# KiCad board motordecoder2-roomlight.kicad_pcb (continued)
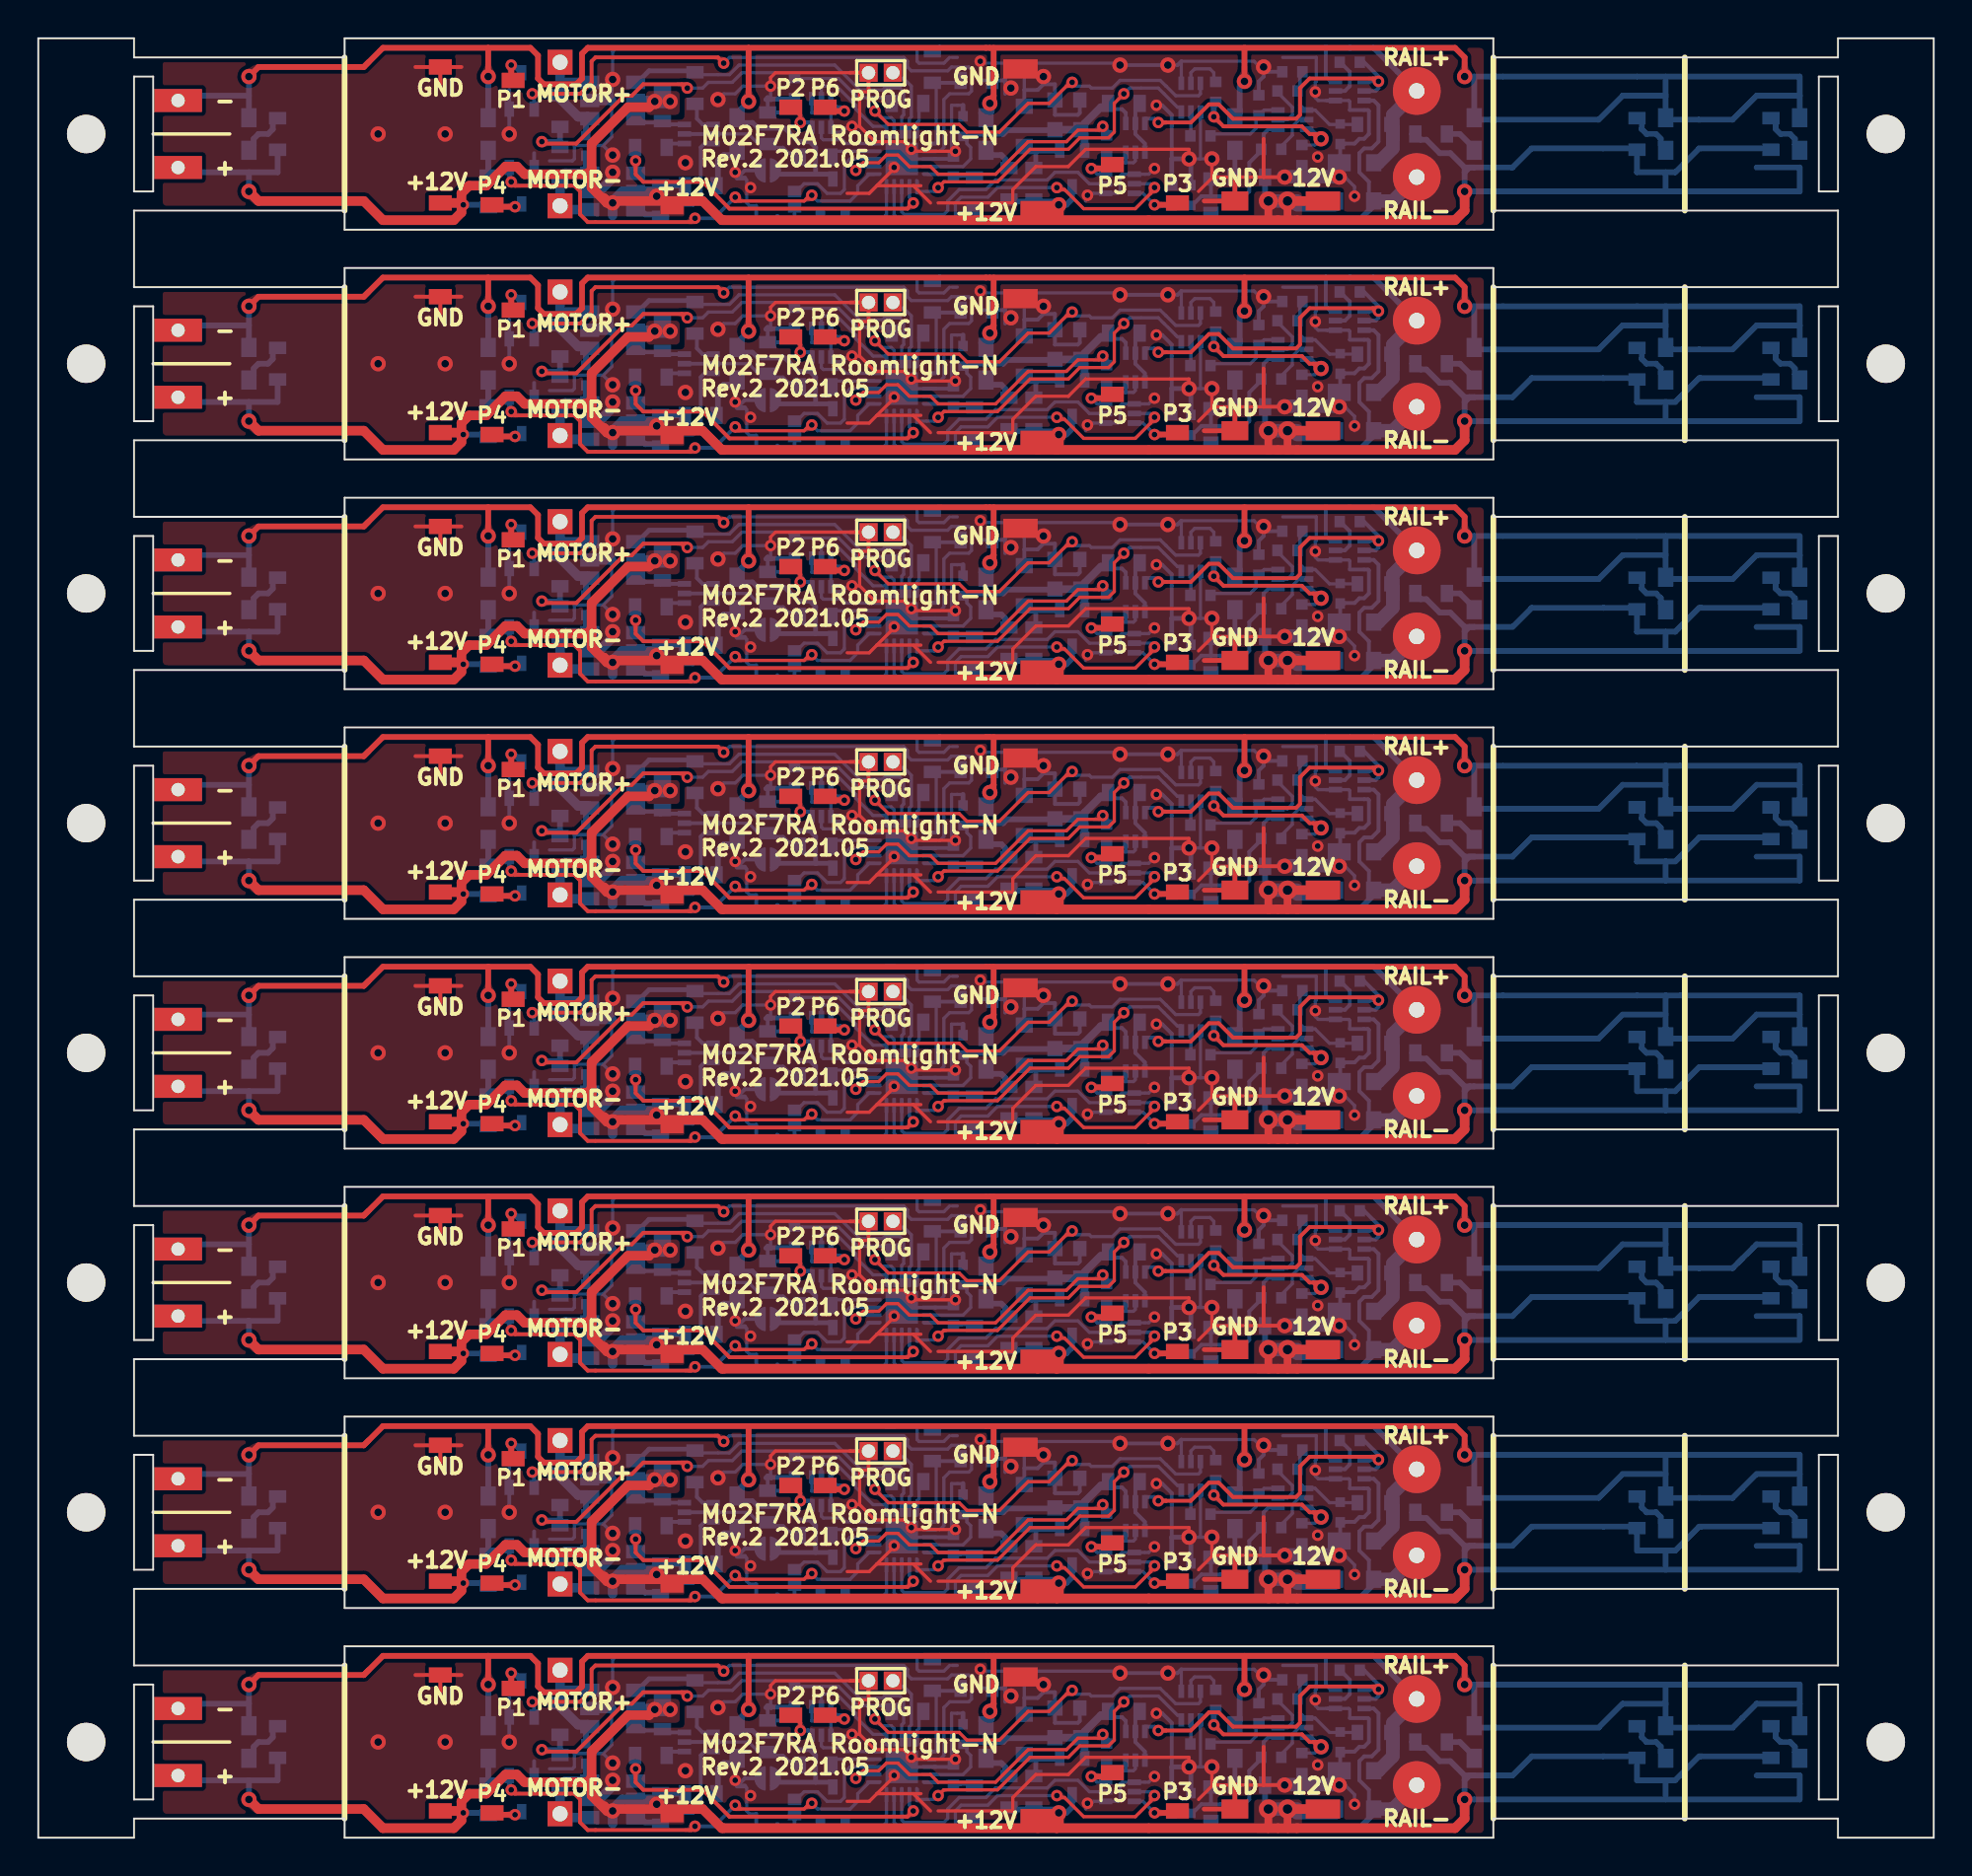
[diagram p0: board, top side]
## Routing (per net, layer and track width the routed paths; a pad name or vN(x,y) marks a point on that pad's centre or on a via; arc(x,y) is an arc through that point) (continued)
Func3: length 108.6
  Bottom w0.17: 45.1,74.35 45.1,72.93 45.23,72.8 47.3,72.8 47.5,73 47.5,73.5 48.1,74.1 49.5,74.1 50,74.6 52.7,74.6 53.1,75 54.3,75 54.9,74.4 Q13#2.5 ; 45.1,62.35 45.1,60.93 45.23,60.8 47.3,60.8 47.5,61 47.5,61.5 48.1,62.1 49.5,62.1 50,62.6 52.7,62.6 53.1,63 54.3,63 54.9,62.4 Q13#3.5 ; 45.1,50.35 45.1,48.93 45.23,48.8 47.3,48.8 47.5,49 47.5,49.5 48.1,50.1 49.5,50.1 50,50.6 52.7,50.6 53.1,51 54.3,51 54.9,50.4 Q13#4.5 ; 45.1,38.35 45.1,36.93 45.23,36.8 47.3,36.8 47.5,37 47.5,37.5 48.1,38.1 49.5,38.1 50,38.6 52.7,38.6 53.1,39 54.3,39 54.9,38.4 Q13#5.5 ; 45.1,26.35 45.1,24.93 45.23,24.8 47.3,24.8 47.5,25 47.5,25.5 48.1,26.1 49.5,26.1 50,26.6 52.7,26.6 53.1,27 54.3,27 54.9,26.4 Q13#6.5 ; 45.1,14.35 45.1,12.93 45.23,12.8 47.3,12.8 47.5,13 47.5,13.5 48.1,14.1 49.5,14.1 50,14.6 52.7,14.6 53.1,15 54.3,15 54.9,14.4 Q13#7.5 ; 45.1,2.35 45.1,0.93 45.23,0.8 47.3,0.8 47.5,1 47.5,1.5 48.1,2.1 49.5,2.1 50,2.6 52.7,2.6 53.1,3 54.3,3 54.9,2.4 Q13#8.5 ; 45.1,86.35 45.1,84.93 45.23,84.8 47.3,84.8 47.5,85 47.5,85.5 48.1,86.1 49.5,86.1 50,86.6 52.7,86.6 53.1,87 54.3,87 54.9,86.4 Q13.5
Func4: length 189.9
  Top w0.17: v3(40.4,73.8) 40.3,73.8 40,73.5 36.4,73.5 ; v3(40.4,61.8) 40.3,61.8 40,61.5 36.4,61.5 ; v3(40.4,49.8) 40.3,49.8 40,49.5 36.4,49.5 ; v3(40.4,37.8) 40.3,37.8 40,37.5 36.4,37.5 ; v3(40.4,25.8) 40.3,25.8 40,25.5 36.4,25.5 ; v3(40.4,13.8) 40.3,13.8 40,13.5 36.4,13.5 ; v3(40.4,1.8) 40.3,1.8 40,1.5 36.4,1.5 ; 36.6,73.5 v3(36.4,73.7) ; 36.6,61.5 v3(36.4,61.7) ; 36.6,49.5 v3(36.4,49.7) ; 36.6,37.5 v3(36.4,37.7) ; 36.6,25.5 v3(36.4,25.7) ; 36.6,13.5 v3(36.4,13.7) ; 36.6,1.5 v3(36.4,1.7) ; 40.1,73.6 40.3,73.6 ; 40.1,61.6 40.3,61.6 ; 40.1,49.6 40.3,49.6 ; 40.1,37.6 40.3,37.6 ; 40.1,25.6 40.3,25.6 ; 40.1,13.6 40.3,13.6 ; 40.1,1.6 40.3,1.6 ; 36.5,73.8 36.3,73.8 ; 36.5,61.8 36.3,61.8 ; 36.5,49.8 36.3,49.8 ; 36.5,37.8 36.3,37.8 ; 36.5,25.8 36.3,25.8 ; 36.5,13.8 36.3,13.8 ; 36.5,1.8 36.3,1.8 ; 36.5,73.7 36.7,73.5 ; 36.5,61.7 36.7,61.5 ; 36.5,49.7 36.7,49.5 ; 36.5,37.7 36.7,37.5 ; 36.5,25.7 36.7,25.5 ; 36.5,13.7 36.7,13.5 ; 36.5,1.7 36.7,1.5 ; 36.5,85.7 36.7,85.5 ; 36.5,85.8 36.3,85.8 ; 36.4,85.5 40,85.5 40.3,85.8 v3(40.4,85.8) ; 36.6,85.5 v3(36.4,85.7) ; 40.1,85.6 40.3,85.6
  Top w0.2: v3(34.3,72.6) 34.1,72.4 28.7,72.4 28.3,72.8 28.3,74 28,74.3 24.9,74.3 v3(24.7,74.5) ; v3(34.3,60.6) 34.1,60.4 28.7,60.4 28.3,60.8 28.3,62 28,62.3 24.9,62.3 v3(24.7,62.5) ; v3(34.3,48.6) 34.1,48.4 28.7,48.4 28.3,48.8 28.3,50 28,50.3 24.9,50.3 v3(24.7,50.5) ; v3(34.3,36.6) 34.1,36.4 28.7,36.4 28.3,36.8 28.3,38 28,38.3 24.9,38.3 v3(24.7,38.5) ; v3(34.3,24.6) 34.1,24.4 28.7,24.4 28.3,24.8 28.3,26 28,26.3 24.9,26.3 v3(24.7,26.5) ; v3(34.3,12.6) 34.1,12.4 28.7,12.4 28.3,12.8 28.3,14 28,14.3 24.9,14.3 v3(24.7,14.5) ; v3(34.3,0.6) 34.1,0.4 28.7,0.4 28.3,0.8 28.3,2 28,2.3 24.9,2.3 v3(24.7,2.5) ; v3(34.3,84.6) 34.1,84.4 28.7,84.4 28.3,84.8 28.3,86 28,86.3 24.9,86.3 v3(24.7,86.5)
  Bottom w0.17: 40.6,73.6 40.7,73.5 42.4,73.5 42.8,73.9 42.8,74.3 43.4,74.9 U2#2.11 ; 40.6,61.6 40.7,61.5 42.4,61.5 42.8,61.9 42.8,62.3 43.4,62.9 U2#3.11 ; 40.6,49.6 40.7,49.5 42.4,49.5 42.8,49.9 42.8,50.3 43.4,50.9 U2#4.11 ; 40.6,37.6 40.7,37.5 42.4,37.5 42.8,37.9 42.8,38.3 43.4,38.9 U2#5.11 ; 40.6,25.6 40.7,25.5 42.4,25.5 42.8,25.9 42.8,26.3 43.4,26.9 U2#6.11 ; 40.6,13.6 40.7,13.5 42.4,13.5 42.8,13.9 42.8,14.3 43.4,14.9 U2#7.11 ; 40.6,1.6 40.7,1.5 42.4,1.5 42.8,1.9 42.8,2.3 43.4,2.9 U2#8.11 ; 40.6,85.6 40.7,85.5 42.4,85.5 42.8,85.9 42.8,86.3 43.4,86.9 U2.11
  Bottom w0.2: v3(36.4,73.7) 35.3,72.6 v3(34.3,72.6) ; v3(36.4,61.7) 35.3,60.6 v3(34.3,60.6) ; v3(36.4,49.7) 35.3,48.6 v3(34.3,48.6) ; v3(36.4,37.7) 35.3,36.6 v3(34.3,36.6) ; v3(36.4,25.7) 35.3,24.6 v3(34.3,24.6) ; v3(36.4,13.7) 35.3,12.6 v3(34.3,12.6) ; v3(36.4,1.7) 35.3,0.6 v3(34.3,0.6) ; v3(36.4,85.7) 35.3,84.6 v3(34.3,84.6)
  Bottom w0.25: 24.8,74.4 24.6,74.6 Q12#2.1 ; 24.8,62.4 24.6,62.6 Q12#3.1 ; 24.8,50.4 24.6,50.6 Q12#4.1 ; 24.8,38.4 24.6,38.6 Q12#5.1 ; 24.8,26.4 24.6,26.6 Q12#6.1 ; 24.8,14.4 24.6,14.6 Q12#7.1 ; 24.8,2.4 24.6,2.6 Q12#8.1 ; 24.8,86.4 24.6,86.6 Q12.1
Func5: length 153.4
  Top w0.17: 53.3,74.3 53.5,74.1 ; 53.3,62.3 53.5,62.1 ; 53.3,50.3 53.5,50.1 ; 53.3,38.3 53.5,38.1 ; 53.3,26.3 53.5,26.1 ; 53.3,14.3 53.5,14.1 ; 53.3,2.3 53.5,2.1 ; 58.1,74.2 58.1,73.9 ; 58.1,62.2 58.1,61.9 ; 58.1,50.2 58.1,49.9 ; 58.1,38.2 58.1,37.9 ; 58.1,26.2 58.1,25.9 ; 58.1,14.2 58.1,13.9 ; 58.1,2.2 58.1,1.9 ; v3(58.3,74.21) 58.3,74.1 57.3,73.1 54.6,73.1 53.6,74.1 53.3,74.1 v3(53.2,74.2) ; v3(58.3,62.21) 58.3,62.1 57.3,61.1 54.6,61.1 53.6,62.1 53.3,62.1 v3(53.2,62.2) ; v3(58.3,50.21) 58.3,50.1 57.3,49.1 54.6,49.1 53.6,50.1 53.3,50.1 v3(53.2,50.2) ; v3(58.3,38.21) 58.3,38.1 57.3,37.1 54.6,37.1 53.6,38.1 53.3,38.1 v3(53.2,38.2) ; v3(58.3,26.21) 58.3,26.1 57.3,25.1 54.6,25.1 53.6,26.1 53.3,26.1 v3(53.2,26.2) ; v3(58.3,14.21) 58.3,14.1 57.3,13.1 54.6,13.1 53.6,14.1 53.3,14.1 v3(53.2,14.2) ; v3(58.3,2.21) 58.3,2.1 57.3,1.1 54.6,1.1 53.6,2.1 53.3,2.1 v3(53.2,2.2) ; 58.1,86.2 58.1,85.9 ; v3(58.3,86.21) 58.3,86.1 57.3,85.1 54.6,85.1 53.6,86.1 53.3,86.1 v3(53.2,86.2) ; 53.3,86.3 53.5,86.1
  Bottom w0.17: 44.7,74.35 44.7,72.8 45.1,72.4 47.6,72.4 47.9,72.7 47.9,73.4 48.2,73.7 49.6,73.7 50.1,74.2 v3(53.2,74.2) ; 44.7,62.35 44.7,60.8 45.1,60.4 47.6,60.4 47.9,60.7 47.9,61.4 48.2,61.7 49.6,61.7 50.1,62.2 v3(53.2,62.2) ; 44.7,50.35 44.7,48.8 45.1,48.4 47.6,48.4 47.9,48.7 47.9,49.4 48.2,49.7 49.6,49.7 50.1,50.2 v3(53.2,50.2) ; 44.7,38.35 44.7,36.8 45.1,36.4 47.6,36.4 47.9,36.7 47.9,37.4 48.2,37.7 49.6,37.7 50.1,38.2 v3(53.2,38.2) ; 44.7,26.35 44.7,24.8 45.1,24.4 47.6,24.4 47.9,24.7 47.9,25.4 48.2,25.7 49.6,25.7 50.1,26.2 v3(53.2,26.2) ; 44.7,14.35 44.7,12.8 45.1,12.4 47.6,12.4 47.9,12.7 47.9,13.4 48.2,13.7 49.6,13.7 50.1,14.2 v3(53.2,14.2) ; 44.7,2.35 44.7,0.8 45.1,0.4 47.6,0.4 47.9,0.7 47.9,1.4 48.2,1.7 49.6,1.7 50.1,2.2 v3(53.2,2.2) ; v3(58.3,74.21) 58.3,74.2 58.1,74.4 Q13#2.2 ; v3(58.3,62.21) 58.3,62.2 58.1,62.4 Q13#3.2 ; v3(58.3,50.21) 58.3,50.2 58.1,50.4 Q13#4.2 ; v3(58.3,38.21) 58.3,38.2 58.1,38.4 Q13#5.2 ; v3(58.3,26.21) 58.3,26.2 58.1,26.4 Q13#6.2 ; v3(58.3,14.21) 58.3,14.2 58.1,14.4 Q13#7.2 ; v3(58.3,2.21) 58.3,2.2 58.1,2.4 Q13#8.2 ; 44.7,86.35 44.7,84.8 45.1,84.4 47.6,84.4 47.9,84.7 47.9,85.4 48.2,85.7 49.6,85.7 50.1,86.2 v3(53.2,86.2) ; v3(58.3,86.21) 58.3,86.2 58.1,86.4 Q13.2
Func6: length 27.4
  Bottom w0.17: U2#2.15 42.2,76.5 42,76.7 41,76.7 40.9,76.8 Q14#2.2 ; U2#3.15 42.2,64.5 42,64.7 41,64.7 40.9,64.8 Q14#3.2 ; U2#4.15 42.2,52.5 42,52.7 41,52.7 40.9,52.8 Q14#4.2 ; U2#5.15 42.2,40.5 42,40.7 41,40.7 40.9,40.8 Q14#5.2 ; U2#6.15 42.2,28.5 42,28.7 41,28.7 40.9,28.8 Q14#6.2 ; U2#7.15 42.2,16.5 42,16.7 41,16.7 40.9,16.8 Q14#7.2 ; U2#8.15 42.2,4.5 42,4.7 41,4.7 40.9,4.8 Q14#8.2 ; U2.15 42.2,88.5 42,88.7 41,88.7 40.9,88.8 Q14.2
Func7: length 29.4
  Bottom w0.17: U2#2.10 44.3,72.8 44,72.5 42.2,72.5 ; U2#3.10 44.3,60.8 44,60.5 42.2,60.5 ; U2#4.10 44.3,48.8 44,48.5 42.2,48.5 ; U2#5.10 44.3,36.8 44,36.5 42.2,36.5 ; U2#6.10 44.3,24.8 44,24.5 42.2,24.5 ; U2#7.10 44.3,12.8 44,12.5 42.2,12.5 ; U2#8.10 44.3,0.8 44,0.5 42.2,0.5 ; 42.2,84.5 44,84.5 44.3,84.8 U2.10
FWD: length 149.2
  Top w0.2: 45.5,73.2 v3(45.7,73.4) 45.4,73.1 36.1,73.1 34.7,74.5 31.6,74.5 31.2,74.9 v3(31.2,75.6) ; 45.5,61.2 v3(45.7,61.4) 45.4,61.1 36.1,61.1 34.7,62.5 31.6,62.5 31.2,62.9 v3(31.2,63.6) ; 45.5,49.2 v3(45.7,49.4) 45.4,49.1 36.1,49.1 34.7,50.5 31.6,50.5 31.2,50.9 v3(31.2,51.6) ; 45.5,37.2 v3(45.7,37.4) 45.4,37.1 36.1,37.1 34.7,38.5 31.6,38.5 31.2,38.9 v3(31.2,39.6) ; 45.5,25.2 v3(45.7,25.4) 45.4,25.1 36.1,25.1 34.7,26.5 31.6,26.5 31.2,26.9 v3(31.2,27.6) ; 45.5,13.2 v3(45.7,13.4) 45.4,13.1 36.1,13.1 34.7,14.5 31.6,14.5 31.2,14.9 v3(31.2,15.6) ; 45.5,1.2 v3(45.7,1.4) 45.4,1.1 36.1,1.1 34.7,2.5 31.6,2.5 31.2,2.9 v3(31.2,3.6) ; 45.5,85.2 v3(45.7,85.4) 45.4,85.1 36.1,85.1 34.7,86.5 31.6,86.5 31.2,86.9 v3(31.2,87.6)
  Bottom w0.17: 45.5,74.35 45.5,73.7 45.7,73.5 ; 45.5,62.35 45.5,61.7 45.7,61.5 ; 45.5,50.35 45.5,49.7 45.7,49.5 ; 45.5,38.35 45.5,37.7 45.7,37.5 ; 45.5,26.35 45.5,25.7 45.7,25.5 ; 45.5,14.35 45.5,13.7 45.7,13.5 ; 45.5,2.35 45.5,1.7 45.7,1.5 ; 45.5,86.35 45.5,85.7 45.7,85.5
  Bottom w0.25: Q2#2.1 31.17,74.97 R6#2.2 ; Q2#3.1 31.17,62.97 R6#3.2 ; Q2#4.1 31.17,50.97 R6#4.2 ; Q2#5.1 31.17,38.97 R6#5.2 ; Q2#6.1 31.17,26.97 R6#6.2 ; Q2#7.1 31.17,14.97 R6#7.2 ; Q2#8.1 31.17,2.97 R6#8.2 ; Q2.1 31.17,86.97 R6.2
MOTOR+: length 55
  Bottom w0.3: Q1#2.4 28.6,77.6 28.6,76.92 ; Q1#3.4 28.6,65.6 28.6,64.92 ; Q1#4.4 28.6,53.6 28.6,52.92 ; Q1#5.4 28.6,41.6 28.6,40.92 ; Q1#6.4 28.6,29.6 28.6,28.92 ; Q1#7.4 28.6,17.6 28.6,16.92 ; Q1#8.4 28.6,5.6 28.6,4.92 ; 26.92,80.58 27.25,80.25 ; 26.92,68.58 27.25,68.25 ; 26.92,56.58 27.25,56.25 ; 26.92,44.58 27.25,44.25 ; 26.92,32.58 27.25,32.25 ; 26.92,20.58 27.25,20.25 ; 26.92,8.58 27.25,8.25 ; 28.6,88.92 28.6,89.6 Q1.4 ; 26.92,92.58 27.25,92.25
  Bottom w0.5: 27.25,79.65 P5#2.1 ; 27.25,79.65 27.3,79.7 Q1#2.6 ; 27.25,79.65 27.25,78.85 28.2,77.9 28.7,77.9 Q1#2.4 ; 27.25,67.65 P5#3.1 ; 27.25,67.65 27.3,67.7 Q1#3.6 ; 27.25,67.65 27.25,66.85 28.2,65.9 28.7,65.9 Q1#3.4 ; 27.25,55.65 P5#4.1 ; 27.25,55.65 27.3,55.7 Q1#4.6 ; 27.25,55.65 R9#4.2 27.25,54.85 28.2,53.9 28.7,53.9 Q1#4.4 ; 27.25,43.65 P5#5.1 ; 27.25,43.65 27.3,43.7 Q1#5.6 ; 27.25,43.65 R9#5.2 27.25,42.85 28.2,41.9 28.7,41.9 Q1#5.4 ; 27.25,31.65 P5#6.1 ; 27.25,31.65 27.3,31.7 Q1#6.6 ; 27.25,31.65 R9#6.2 27.25,30.85 28.2,29.9 28.7,29.9 Q1#6.4 ; 27.25,19.65 P5#7.1 ; 27.25,19.65 27.3,19.7 Q1#7.6 ; 27.25,19.65 R9#7.2 27.25,18.85 28.2,17.9 28.7,17.9 Q1#7.4 ; 27.25,7.65 P5#8.1 ; 27.25,7.65 27.3,7.7 Q1#8.6 ; 27.25,7.65 R9#8.2 27.25,6.85 28.2,5.9 28.7,5.9 Q1#8.4 ; Q1.6 27.3,91.7 27.25,91.65 ; Q1.4 28.7,89.9 28.2,89.9 27.25,90.85 27.25,91.65 ; 27.25,91.65 P5.1
MOTOR-: length 49.5
  Bottom w0.3: Q2#2.6 28.6,75.15 28.6,75.88 ; Q2#3.6 28.6,63.15 28.6,63.88 ; Q2#4.6 28.6,51.15 28.6,51.88 ; Q2#5.6 28.6,39.15 28.6,39.88 ; Q2#6.6 28.6,27.15 28.6,27.88 ; Q2#7.6 28.6,15.15 28.6,15.88 ; Q2#8.6 28.6,3.15 28.6,3.88 ; 26.92,73.42 27.25,73.75 ; 26.92,61.42 27.25,61.75 ; 26.92,49.42 27.25,49.75 ; 26.92,37.42 27.25,37.75 ; 26.92,25.42 27.25,25.75 ; 26.92,13.42 27.25,13.75 ; 26.92,1.42 27.25,1.75 ; 28.6,87.88 28.6,87.15 Q2.6 ; 26.92,85.42 27.25,85.75
  Bottom w0.5: Q2#2.4 27.45,73.05 P6#2.1 R10#2.2 27.53,74.95 Q2#2.6 ; Q2#3.4 27.45,61.05 P6#3.1 R10#3.2 27.53,62.95 Q2#3.6 ; Q2#4.4 27.45,49.05 P6#4.1 R10#4.2 27.53,50.95 Q2#4.6 ; Q2#5.4 27.45,37.05 P6#5.1 R10#5.2 27.53,38.95 Q2#5.6 ; Q2#6.4 27.45,25.05 P6#6.1 R10#6.2 27.53,26.95 Q2#6.6 ; Q2#7.4 27.45,13.05 P6#7.1 R10#7.2 27.53,14.95 Q2#7.6 ; Q2#8.4 27.45,1.05 P6#8.1 R10#8.2 27.53,2.95 Q2#8.6 ; Q2.4 27.45,85.05 P6.1 R10.2 27.53,86.95 Q2.6
PWM: length 18.5
  Bottom w0.17: U2#2.14 41.62,76.1 41.43,75.9 ; U2#3.14 41.62,64.1 41.43,63.9 ; U2#4.14 41.62,52.1 41.43,51.9 ; U2#5.14 41.62,40.1 41.43,39.9 ; U2#6.14 41.62,28.1 41.43,27.9 ; U2#7.14 41.62,16.1 41.43,15.9 ; U2#8.14 41.62,4.1 41.43,3.9 ; U2.14 41.62,88.1 41.43,87.9
RAIL+: length 304.1
  Bottom w0.17: 71.25,78.5 P1#2.1 ; 71.25,66.5 P1#3.1 ; 71.25,54.5 P1#4.1 ; 71.25,42.5 P1#5.1 ; 71.25,30.5 P1#6.1 ; 71.25,18.5 P1#7.1 ; 71.25,6.5 P1#8.1 ; 71.25,90.5 P1.1
  Bottom w0.2: Q8#2.3 67.5,79.75 67.25,80 67.25,81.5 ; Q8#3.3 67.5,67.75 67.25,68 67.25,69.5 ; Q8#4.3 67.5,55.75 67.25,56 67.25,57.5 ; Q8#5.3 67.5,43.75 67.25,44 67.25,45.5 ; Q8#6.3 67.5,31.75 67.25,32 67.25,33.5 ; Q8#7.3 67.5,19.75 67.25,20 67.25,21.5 ; Q8#8.3 67.5,7.75 67.25,8 67.25,9.5 ; Q8.3 67.5,91.75 67.25,92 67.25,93.5
  Bottom w0.3: P1#2.1 69.75,81.5 47.07,81.5 46.8,81.22 ; P1#3.1 69.75,69.5 47.07,69.5 46.8,69.22 ; P1#4.1 69.75,57.5 47.07,57.5 46.8,57.22 ; P1#5.1 69.75,45.5 47.07,45.5 46.8,45.22 ; P1#6.1 69.75,33.5 47.07,33.5 46.8,33.22 ; P1#7.1 69.75,21.5 47.07,21.5 46.8,21.22 ; P1#8.1 69.75,9.5 47.07,9.5 46.8,9.22 ; P1.1 69.75,93.5 47.07,93.5 46.8,93.22
  Bottom w0.5: 71.25,80 P1#2.1 ; 71.25,68 P1#3.1 ; 71.25,56 P1#4.1 ; 71.25,44 P1#5.1 ; 71.25,32 P1#6.1 ; 71.25,20 P1#7.1 ; 71.25,8 P1#8.1 ; 71.25,92 P1.1
  Bottom w0.7: 71.5,79.75 P1#2.1 ; P1#2.1 72,79 ; P1#2.1 70.75,78 70.75,76.75 ; 71.5,67.75 P1#3.1 ; P1#3.1 72,67 ; P1#3.1 70.75,66 70.75,64.75 ; 71.5,55.75 P1#4.1 ; P1#4.1 72,55 ; P1#4.1 70.75,54 70.75,52.75 ; 71.5,43.75 P1#5.1 ; P1#5.1 72,43 ; P1#5.1 70.75,42 70.75,40.75 ; 71.5,31.75 P1#6.1 ; P1#6.1 72,31 ; P1#6.1 70.75,30 70.75,28.75 ; 71.5,19.75 P1#7.1 ; P1#7.1 72,19 ; P1#7.1 70.75,18 70.75,16.75 ; 71.5,7.75 P1#8.1 ; P1#8.1 72,7 ; P1#8.1 70.75,6 70.75,4.75 ; 70.75,76.75 70.75,77.35 ; 70.75,76.75 70.75,77.65 ; 70.75,76.75 70.75,76.5 ; 70.75,76.75 70.75,76.25 70,75.5 D1#2.2 ; 70.75,64.75 70.75,65.35 ; 70.75,64.75 70.75,65.65 ; 70.75,64.75 70.75,64.5 ; 70.75,64.75 70.75,64.25 70,63.5 D1#3.2 ; 70.75,52.75 70.75,53.35 ; 70.75,52.75 70.75,53.65 ; 70.75,52.75 70.75,52.5 ; 70.75,52.75 70.75,52.25 70,51.5 D1#4.2 ; 70.75,40.75 70.75,41.35 ; 70.75,40.75 70.75,41.65 ; 70.75,40.75 70.75,40.5 ; 70.75,40.75 70.75,40.25 70,39.5 D1#5.2 ; 70.75,28.75 70.75,29.35 ; 70.75,28.75 70.75,29.65 ; 70.75,28.75 70.75,28.5 ; 70.75,28.75 70.75,28.25 70,27.5 D1#6.2 ; 70.75,16.75 70.75,17.35 ; 70.75,16.75 70.75,17.65 ; 70.75,16.75 70.75,16.5 ; 70.75,16.75 70.75,16.25 70,15.5 D1#7.2 ; 70.75,4.75 70.75,5.35 ; 70.75,4.75 70.75,5.65 ; 70.75,4.75 70.75,4.5 ; 70.75,4.75 70.75,4.25 70,3.5 D1#8.2 ; P1.1 70.75,90 70.75,88.75 ; P1.1 72,91 ; P1.1 71.5,91.75 ; 70.75,88.75 70.75,88.5 ; 70.75,88.75 70.75,89.65 ; 70.75,88.75 70.75,88.25 70,87.5 D1.2 ; 70.75,88.75 70.75,89.35
RAIL-: length 266.4
  Bottom w0.2: D1#2.3 69.5,73.75 69.5,74.5 69,75 69,76 69.25,76.25 69.65,76.25 70,76.6 70,78.5 69.75,78.75 Q8#2.6 ; D1#3.3 69.5,61.75 69.5,62.5 69,63 69,64 69.25,64.25 69.65,64.25 70,64.6 70,66.5 69.75,66.75 Q8#3.6 ; D1#4.3 69.5,49.75 69.5,50.5 69,51 69,52 69.25,52.25 69.65,52.25 70,52.6 70,54.5 69.75,54.75 Q8#4.6 ; D1#5.3 69.5,37.75 69.5,38.5 69,39 69,40 69.25,40.25 69.65,40.25 70,40.6 70,42.5 69.75,42.75 Q8#5.6 ; D1#6.3 69.5,25.75 69.5,26.5 69,27 69,28 69.25,28.25 69.65,28.25 70,28.6 70,30.5 69.75,30.75 Q8#6.6 ; D1#7.3 69.5,13.75 69.5,14.5 69,15 69,16 69.25,16.25 69.65,16.25 70,16.6 70,18.5 69.75,18.75 Q8#7.6 ; D1#8.3 69.5,1.75 69.5,2.5 69,3 69,4 69.25,4.25 69.65,4.25 70,4.6 70,6.5 69.75,6.75 Q8#8.6 ; Q8.6 69.75,90.75 70,90.5 70,88.6 69.65,88.25 69.25,88.25 69,88 69,87 69.5,86.5 69.5,85.75 D1.3
  Bottom w0.25: D22#2.2 61.25,72.5 ; D22#3.2 61.25,60.5 ; D22#4.2 61.25,48.5 ; D22#5.2 61.25,36.5 ; D22#6.2 61.25,24.5 ; D22#7.2 61.25,12.5 ; D22#8.2 61.25,0.5 ; D22.2 61.25,84.5
  Bottom w0.3: 48.8,72.97 49.28,72.5 69,72.5 69.75,73.25 D1#2.3 ; 48.8,60.97 49.28,60.5 69,60.5 69.75,61.25 D1#3.3 ; 48.8,48.97 49.28,48.5 69,48.5 69.75,49.25 D1#4.3 ; 48.8,36.97 49.28,36.5 69,36.5 69.75,37.25 D1#5.3 ; 48.8,24.97 49.28,24.5 69,24.5 69.75,25.25 D1#6.3 ; 48.8,12.97 49.28,12.5 69,12.5 69.75,13.25 D1#7.3 ; 48.8,0.97 49.28,0.5 69,0.5 69.75,1.25 D1#8.3 ; 48.8,84.97 49.28,84.5 69,84.5 69.75,85.25 D1.3
  Bottom w0.5: 71.5,74.25 P3#2.1 71.75,74.75 ; 71.5,62.25 P3#3.1 71.75,62.75 ; 71.5,50.25 P3#4.1 71.75,50.75 ; 71.5,38.25 P3#5.1 71.75,38.75 ; 71.5,26.25 P3#6.1 71.75,26.75 ; 71.5,14.25 P3#7.1 71.75,14.75 ; 71.5,2.25 P3#8.1 71.75,2.75 ; 71.75,86.75 P3.1 71.5,86.25
  Bottom w0.7: 71.5,75.25 P3#2.1 70.75,73.5 D1#2.3 ; 71.5,63.25 P3#3.1 70.75,61.5 D1#3.3 ; 71.5,51.25 P3#4.1 70.75,49.5 D1#4.3 ; 71.5,39.25 P3#5.1 70.75,37.5 D1#5.3 ; 71.5,27.25 P3#6.1 70.75,25.5 D1#6.3 ; 71.5,15.25 P3#7.1 70.75,13.5 D1#7.3 ; 71.5,3.25 P3#8.1 70.75,1.5 D1#8.3 ; 71.5,87.25 P3.1 70.75,85.5 D1.3
REV: length 139.9
  Bottom w0.17: 34.1,80.22 34.22,80.1 36.1,80.1 36.6,80.6 41.6,80.6 42.9,79.3 44.1,79.3 44.2,79.4 45,79.4 45.2,79.2 45.2,78 45.1,77.9 U2#2.18 ; 34.1,68.22 34.22,68.1 36.1,68.1 36.6,68.6 41.6,68.6 42.9,67.3 44.1,67.3 44.2,67.4 45,67.4 45.2,67.2 45.2,66 45.1,65.9 U2#3.18 ; 34.1,56.22 34.22,56.1 36.1,56.1 36.6,56.6 41.6,56.6 42.9,55.3 44.1,55.3 44.2,55.4 45,55.4 45.2,55.2 45.2,54 45.1,53.9 U2#4.18 ; 34.1,44.22 34.22,44.1 36.1,44.1 36.6,44.6 41.6,44.6 42.9,43.3 44.1,43.3 44.2,43.4 45,43.4 45.2,43.2 45.2,42 45.1,41.9 U2#5.18 ; 34.1,32.22 34.22,32.1 36.1,32.1 36.6,32.6 41.6,32.6 42.9,31.3 44.1,31.3 44.2,31.4 45,31.4 45.2,31.2 45.2,30 45.1,29.9 U2#6.18 ; 34.1,20.22 34.22,20.1 36.1,20.1 36.6,20.6 41.6,20.6 42.9,19.3 44.1,19.3 44.2,19.4 45,19.4 45.2,19.2 45.2,18 45.1,17.9 U2#7.18 ; 34.1,8.22 34.22,8.1 36.1,8.1 36.6,8.6 41.6,8.6 42.9,7.3 44.1,7.3 44.2,7.4 45,7.4 45.2,7.2 45.2,6 45.1,5.9 U2#8.18 ; U2.18 45.1,89.9 45.2,90 45.2,91.2 45,91.4 44.2,91.4 44.1,91.3 42.9,91.3 41.6,92.6 36.6,92.6 36.1,92.1 34.22,92.1 34.1,92.22
  Bottom w0.25: Q1#2.1 31.3,79.7 31.9,80.3 34.03,80.3 34.1,80.22 ; Q1#3.1 31.3,67.7 31.9,68.3 34.03,68.3 34.1,68.22 ; Q1#4.1 31.3,55.7 31.9,56.3 34.03,56.3 34.1,56.22 ; Q1#5.1 31.3,43.7 31.9,44.3 34.03,44.3 34.1,44.22 ; Q1#6.1 31.3,31.7 31.9,32.3 34.03,32.3 34.1,32.22 ; Q1#7.1 31.3,19.7 31.9,20.3 34.03,20.3 34.1,20.22 ; Q1#8.1 31.3,7.7 31.9,8.3 34.03,8.3 34.1,8.22 ; Q1.1 31.3,91.7 31.9,92.3 34.03,92.3 34.1,92.22
  Bottom w0.3: Q1#2.1 31,79.7 ; Q1#3.1 31,67.7 ; Q1#4.1 31,55.7 ; Q1#5.1 31,43.7 ; Q1#6.1 31,31.7 ; Q1#7.1 31,19.7 ; Q1#8.1 31,7.7 ; Q1.1 31,91.7
TXD: length 130.5
  Top w0.17: v3(42.7,75.1) 43.1,75.5 43.9,75.5 44.3,75.9 44.9,75.9 45.5,75.3 46.6,75.3 47,74.9 50,74.9 51.7,76.6 53.7,76.6 54.3,77.2 55.4,77.2 v3(55.6,77.4) ; v3(42.7,63.1) 43.1,63.5 43.9,63.5 44.3,63.9 44.9,63.9 45.5,63.3 46.6,63.3 47,62.9 50,62.9 51.7,64.6 53.7,64.6 54.3,65.2 55.4,65.2 v3(55.6,65.4) ; v3(42.7,51.1) 43.1,51.5 43.9,51.5 44.3,51.9 44.9,51.9 45.5,51.3 46.6,51.3 47,50.9 50,50.9 51.7,52.6 53.7,52.6 54.3,53.2 55.4,53.2 v3(55.6,53.4) ; v3(42.7,39.1) 43.1,39.5 43.9,39.5 44.3,39.9 44.9,39.9 45.5,39.3 46.6,39.3 47,38.9 50,38.9 51.7,40.6 53.7,40.6 54.3,41.2 55.4,41.2 v3(55.6,41.4) ; v3(42.7,27.1) 43.1,27.5 43.9,27.5 44.3,27.9 44.9,27.9 45.5,27.3 46.6,27.3 47,26.9 50,26.9 51.7,28.6 53.7,28.6 54.3,29.2 55.4,29.2 v3(55.6,29.4) ; v3(42.7,15.1) 43.1,15.5 43.9,15.5 44.3,15.9 44.9,15.9 45.5,15.3 46.6,15.3 47,14.9 50,14.9 51.7,16.6 53.7,16.6 54.3,17.2 55.4,17.2 v3(55.6,17.4) ; v3(42.7,3.1) 43.1,3.5 43.9,3.5 44.3,3.9 44.9,3.9 45.5,3.3 46.6,3.3 47,2.9 50,2.9 51.7,4.6 53.7,4.6 54.3,5.2 55.4,5.2 v3(55.6,5.4) ; v3(42.7,87.1) 43.1,87.5 43.9,87.5 44.3,87.9 44.9,87.9 45.5,87.3 46.6,87.3 47,86.9 50,86.9 51.7,88.6 53.7,88.6 54.3,89.2 55.4,89.2 v3(55.6,89.4)
  Bottom w0.17: U2#2.12 43,75.3 42.7,75 ; U2#3.12 43,63.3 42.7,63 ; U2#4.12 43,51.3 42.7,51 ; U2#5.12 43,39.3 42.7,39 ; U2#6.12 43,27.3 42.7,27 ; U2#7.12 43,15.3 42.7,15 ; U2#8.12 43,3.3 42.7,3 ; U2.12 43,87.3 42.7,87
  Bottom w0.25: R13#2.2 55.8,77.2 v3(55.6,77.4) ; R13#3.2 55.8,65.2 v3(55.6,65.4) ; 55.8,52.92 55.8,53.2 v3(55.6,53.4) ; 55.8,40.92 55.8,41.2 v3(55.6,41.4) ; 55.8,28.92 55.8,29.2 v3(55.6,29.4) ; 55.8,16.92 55.8,17.2 v3(55.6,17.4) ; 55.8,4.92 55.8,5.2 v3(55.6,5.4) ; R13.2 55.8,89.2 v3(55.6,89.4)
UPDI: length 29.2
  Bottom w0.17: P9#2.1 44.94,79.9 45.2,79.9 45.6,79.5 45.6,77.9 45.5,77.8 U2#2.19 ; P9#3.1 44.94,67.9 45.2,67.9 45.6,67.5 45.6,65.9 45.5,65.8 U2#3.19 ; P9#4.1 44.94,55.9 45.2,55.9 45.6,55.5 45.6,53.9 45.5,53.8 U2#4.19 ; P9#5.1 44.94,43.9 45.2,43.9 45.6,43.5 45.6,41.9 45.5,41.8 U2#5.19 ; P9#6.1 44.94,31.9 45.2,31.9 45.6,31.5 45.6,29.9 45.5,29.8 U2#6.19 ; P9#7.1 44.94,19.9 45.2,19.9 45.6,19.5 45.6,17.9 45.5,17.8 U2#7.19 ; P9#8.1 44.94,7.9 45.2,7.9 45.6,7.5 45.6,5.9 45.5,5.8 U2#8.19 ; U2.19 45.5,89.8 45.6,89.9 45.6,91.5 45.2,91.9 44.94,91.9 P9.1
VRAIL+: length 43.3
  Bottom w0.17: D21#2.1 68.03,77.5 C11#2.1 67.97,77.5 67.44,77.5 66.69,78.25 Q21#2.4 66.2,78.3 ; D21#3.1 68.03,65.5 C11#3.1 67.97,65.5 67.44,65.5 66.69,66.25 Q21#3.4 66.2,66.3 ; D21#4.1 68.03,53.5 C11#4.1 67.97,53.5 67.44,53.5 66.69,54.25 Q21#4.4 66.2,54.3 ; D21#5.1 68.03,41.5 C11#5.1 67.97,41.5 67.44,41.5 66.69,42.25 Q21#5.4 66.2,42.3 ; D21#6.1 68.03,29.5 C11#6.1 67.97,29.5 67.44,29.5 66.69,30.25 Q21#6.4 66.2,30.3 ; D21#7.1 68.03,17.5 C11#7.1 67.97,17.5 67.44,17.5 66.69,18.25 Q21#7.4 66.2,18.3 ; D21#8.1 68.03,5.5 C11#8.1 67.97,5.5 67.44,5.5 66.69,6.25 Q21#8.4 66.2,6.3 ; 66.2,90.3 Q21.4 66.69,90.25 67.44,89.5 67.97,89.5 C11.1 68.03,89.5 D21.1
  Bottom w0.2: R32#2.1 65.9,80.12 65.9,79.38 R31#2.2 65.9,79.12 65.9,78.5 66.15,78.25 Q21#2.4 ; R32#3.1 65.9,68.12 65.9,67.38 R31#3.2 65.9,67.12 65.9,66.5 66.15,66.25 Q21#3.4 ; R32#4.1 65.9,56.12 65.9,55.38 R31#4.2 65.9,55.12 65.9,54.5 66.15,54.25 Q21#4.4 ; R32#5.1 65.9,44.12 65.9,43.38 R31#5.2 65.9,43.12 65.9,42.5 66.15,42.25 Q21#5.4 ; R32#6.1 65.9,32.12 65.9,31.38 R31#6.2 65.9,31.12 65.9,30.5 66.15,30.25 Q21#6.4 ; R32#7.1 65.9,20.12 65.9,19.38 R31#7.2 65.9,19.12 65.9,18.5 66.15,18.25 Q21#7.4 ; R32#8.1 65.9,8.12 65.9,7.38 R31#8.2 65.9,7.12 65.9,6.5 66.15,6.25 Q21#8.4 ; R32.1 65.9,92.12 65.9,91.38 R31.2 65.9,91.12 65.9,90.5 66.15,90.25 Q21.4
VRAIL-: length 77
  Bottom w0.2: 60.28,73.28 60.75,73.75 61.25,73.75 ; 60.28,61.28 60.75,61.75 61.25,61.75 ; 60.28,49.28 60.75,49.75 61.25,49.75 ; 60.28,37.28 60.75,37.75 61.25,37.75 ; 60.28,25.28 60.75,25.75 61.25,25.75 ; 60.28,13.28 60.75,13.75 61.25,13.75 ; 60.28,1.28 60.75,1.75 61.25,1.75 ; 61.25,73.75 63,73.75 63.25,74 63.25,75.5 63.88,76.12 63.88,76.3 64,76.42 64,77 64.25,77.25 Q21#2.1 ; 61.25,73.75 D22#2.1 ; 61.25,61.75 63,61.75 63.25,62 63.25,63.5 63.88,64.12 63.88,64.3 64,64.42 64,65 64.25,65.25 Q21#3.1 ; 61.25,61.75 D22#3.1 ; 61.25,49.75 63,49.75 63.25,50 63.25,51.5 63.88,52.12 63.88,52.3 64,52.42 64,53 64.25,53.25 Q21#4.1 ; 61.25,49.75 D22#4.1 ; 61.25,37.75 63,37.75 63.25,38 63.25,39.5 63.88,40.12 63.88,40.3 64,40.42 64,41 64.25,41.25 Q21#5.1 ; 61.25,37.75 D22#5.1 ; 61.25,25.75 63,25.75 63.25,26 63.25,27.5 63.88,28.12 63.88,28.3 64,28.42 64,29 64.25,29.25 Q21#6.1 ; 61.25,25.75 D22#6.1 ; 61.25,13.75 63,13.75 63.25,14 63.25,15.5 63.88,16.12 63.88,16.3 64,16.42 64,17 64.25,17.25 Q21#7.1 ; 61.25,13.75 D22#7.1 ; 61.25,1.75 63,1.75 63.25,2 63.25,3.5 63.88,4.12 63.88,4.3 64,4.42 64,5 64.25,5.25 Q21#8.1 ; 61.25,1.75 D22#8.1 ; 61.25,85.75 60.75,85.75 60.28,85.28 ; 61.25,85.75 D22.1 ; 61.25,85.75 63,85.75 63.25,86 63.25,87.5 63.88,88.12 63.88,88.3 64,88.42 64,89 64.25,89.25 Q21.1
  Bottom w0.25: R36#2.1 C12#2.1 60.28,73.28 ; 59.2,61.28 60.28,61.28 ; 59.2,49.28 60.28,49.28 ; 59.2,37.28 60.28,37.28 ; 59.2,25.28 60.28,25.28 ; 59.2,13.28 60.28,13.28 ; 59.2,1.28 60.28,1.28 ; D22#2.1 61.1,74.5 ; D22#3.1 61.1,62.5 ; D22#4.1 61.1,50.5 ; D22#5.1 61.1,38.5 ; D22#6.1 61.1,26.5 ; D22#7.1 61.1,14.5 ; D22#8.1 61.1,2.5 ; 60.28,85.28 C12.1 R36.1 ; D22.1 61.1,86.5
Net-(D3-Pad1): length 23.6
  Bottom w0.25: 52.1,76.1 51.9,76.1 51.65,76.35 D3#2.1 ; 52.1,76.1 53.3,76.1 Q5#2.1 ; 52.1,76.1 52.1,75.12 ; 52.1,64.1 51.9,64.1 51.65,64.35 D3#3.1 ; 52.1,64.1 53.3,64.1 Q5#3.1 ; 52.1,64.1 52.1,63.12 ; 52.1,52.1 51.9,52.1 51.65,52.35 D3#4.1 ; 52.1,52.1 53.3,52.1 Q5#4.1 ; 52.1,52.1 52.1,51.12 ; 52.1,40.1 51.9,40.1 51.65,40.35 D3#5.1 ; 52.1,40.1 53.3,40.1 Q5#5.1 ; 52.1,40.1 52.1,39.12 ; 52.1,28.1 51.9,28.1 51.65,28.35 D3#6.1 ; 52.1,28.1 53.3,28.1 Q5#6.1 ; 52.1,28.1 52.1,27.12 ; 52.1,16.1 51.9,16.1 51.65,16.35 D3#7.1 ; 52.1,16.1 53.3,16.1 Q5#7.1 ; 52.1,16.1 52.1,15.12 ; 52.1,4.1 51.9,4.1 51.65,4.35 D3#8.1 ; 52.1,4.1 53.3,4.1 Q5#8.1 ; 52.1,4.1 52.1,3.12 ; 52.1,88.1 51.9,88.1 51.65,88.35 D3.1 ; 52.1,88.1 53.3,88.1 Q5.1 ; 52.1,88.1 52.1,87.12
Net-(D41-Pad1): length 1151.8
  Top w0.3: 23.5,81.5 18,81.5 17,80.5 ; 23.5,81.5 v1(23.5,80) ; 23.5,81.5 25.7,81.5 26.1,81.1 26.1,79.9 26.4,79.6 28.1,79.6 28.4,79.9 28.4,81.2 28.7,81.5 37.1,81.5 ; 23.5,69.5 18,69.5 17,68.5 ; 23.5,69.5 v1(23.5,68) ; 23.5,69.5 25.7,69.5 26.1,69.1 26.1,67.9 26.4,67.6 28.1,67.6 28.4,67.9 28.4,69.2 28.7,69.5 37.1,69.5 ; 23.5,57.5 18,57.5 17,56.5 ; 23.5,57.5 v1(23.5,56) ; 23.5,57.5 25.7,57.5 26.1,57.1 26.1,55.9 26.4,55.6 28.1,55.6 28.4,55.9 28.4,57.2 28.7,57.5 37.1,57.5 ; 23.5,45.5 18,45.5 17,44.5 ; 23.5,45.5 v1(23.5,44) ; 23.5,45.5 25.7,45.5 26.1,45.1 26.1,43.9 26.4,43.6 28.1,43.6 28.4,43.9 28.4,45.2 28.7,45.5 37.1,45.5 ; 23.5,33.5 18,33.5 17,32.5 ; 23.5,33.5 v1(23.5,32) ; 23.5,33.5 25.7,33.5 26.1,33.1 26.1,31.9 26.4,31.6 28.1,31.6 28.4,31.9 28.4,33.2 28.7,33.5 37.1,33.5 ; 23.5,21.5 18,21.5 17,20.5 ; 23.5,21.5 v1(23.5,20) ; 23.5,21.5 25.7,21.5 26.1,21.1 26.1,19.9 26.4,19.6 28.1,19.6 28.4,19.9 28.4,21.2 28.7,21.5 37.1,21.5 ; 23.5,9.5 18,9.5 17,8.5 ; 23.5,9.5 v1(23.5,8) ; 23.5,9.5 25.7,9.5 26.1,9.1 26.1,7.9 26.4,7.6 28.1,7.6 28.4,7.9 28.4,9.2 28.7,9.5 37.1,9.5 ; 17,80.5 11.5,80.5 v1(11,80) ; 17,80.5 17.25,80.75 ; 17,68.5 11.5,68.5 v1(11,68) ; 17,68.5 17.25,68.75 ; 17,56.5 11.5,56.5 v1(11,56) ; 17,56.5 17.25,56.75 ; 17,44.5 11.5,44.5 v1(11,44) ; 17,44.5 17.25,44.75 ; 17,32.5 11.5,32.5 v1(11,32) ; 17,32.5 17.25,32.75 ; 17,20.5 11.5,20.5 v1(11,20) ; 17,20.5 17.25,20.75 ; 17,8.5 11.5,8.5 v1(11,8) ; 17,8.5 17.25,8.75 ; v1(37.1,78.7) 37.1,81.5 ; 37.1,81.5 74,81.5 74.5,81 v1(74.5,80) ; v1(37.1,66.7) 37.1,69.5 ; 37.1,69.5 74,69.5 74.5,69 v1(74.5,68) ; v1(37.1,54.7) 37.1,57.5 ; 37.1,57.5 74,57.5 74.5,57 v1(74.5,56) ; v1(37.1,42.7) 37.1,45.5 ; 37.1,45.5 74,45.5 74.5,45 v1(74.5,44) ; v1(37.1,30.7) 37.1,33.5 ; 37.1,33.5 74,33.5 74.5,33 v1(74.5,32) ; v1(37.1,18.7) 37.1,21.5 ; 37.1,21.5 74,21.5 74.5,21 v1(74.5,20) ; v1(37.1,6.7) 37.1,9.5 ; 37.1,9.5 74,9.5 74.5,9 v1(74.5,8) ; v1(63,79.75) 63,81.5 ; v1(63,67.75) 63,69.5 ; v1(63,55.75) 63,57.5 ; v1(63,43.75) 63,45.5 ; v1(63,31.75) 63,33.5 ; v1(63,19.75) 63,21.5 ; v1(63,7.75) 63,9.5 ; 49.9,79 49.7,78.8 v1(49.7,78.6) ; 49.9,79 49.9,81.5 ; 49.9,79 49.9,78.8 ; 49.9,67 49.7,66.8 v1(49.7,66.6) ; 49.9,67 49.9,69.5 ; 49.9,67 49.9,66.8 ; 49.9,55 49.7,54.8 v1(49.7,54.6) ; 49.9,55 49.9,57.5 ; 49.9,55 49.9,54.8 ; 49.9,43 49.7,42.8 v1(49.7,42.6) ; 49.9,43 49.9,45.5 ; 49.9,43 49.9,42.8 ; 49.9,31 49.7,30.8 v1(49.7,30.6) ; 49.9,31 49.9,33.5 ; 49.9,31 49.9,30.8 ; 49.9,19 49.7,18.8 v1(49.7,18.6) ; 49.9,19 49.9,21.5 ; 49.9,19 49.9,18.8 ; 49.9,7 49.7,6.8 v1(49.7,6.6) ; 49.9,7 49.9,9.5 ; 49.9,7 49.9,6.8 ; 37.1,93.5 28.7,93.5 28.4,93.2 28.4,91.9 28.1,91.6 26.4,91.6 26.1,91.9 26.1,93.1 25.7,93.5 23.5,93.5 ; 37.1,93.5 74,93.5 74.5,93 v1(74.5,92) ; 37.1,93.5 v1(37.1,90.7) ; 49.9,91 49.7,90.8 v1(49.7,90.6) ; 49.9,91 49.9,90.8 ; 49.9,91 49.9,93.5 ; v1(11,92) 11.5,92.5 17,92.5 ; v1(23.5,92) 23.5,93.5 ; 23.5,93.5 18,93.5 17,92.5 ; 17,92.5 17.25,92.75 ; v1(63,91.75) 63,93.5